# Altium PCB Rear Power Distribution.PcbDoc (part 3 of 3)
Units mm, origin at the board's own origin, x right, y up, seen from the top; angles counter-clockwise.
Board outline 153 x 100.2 mm, 4 copper layers (Component Side, Ground, Signal, Solder Side), stack 0.843 mm thick; 277 components, 195 nets, 965 pads, 810 vias.
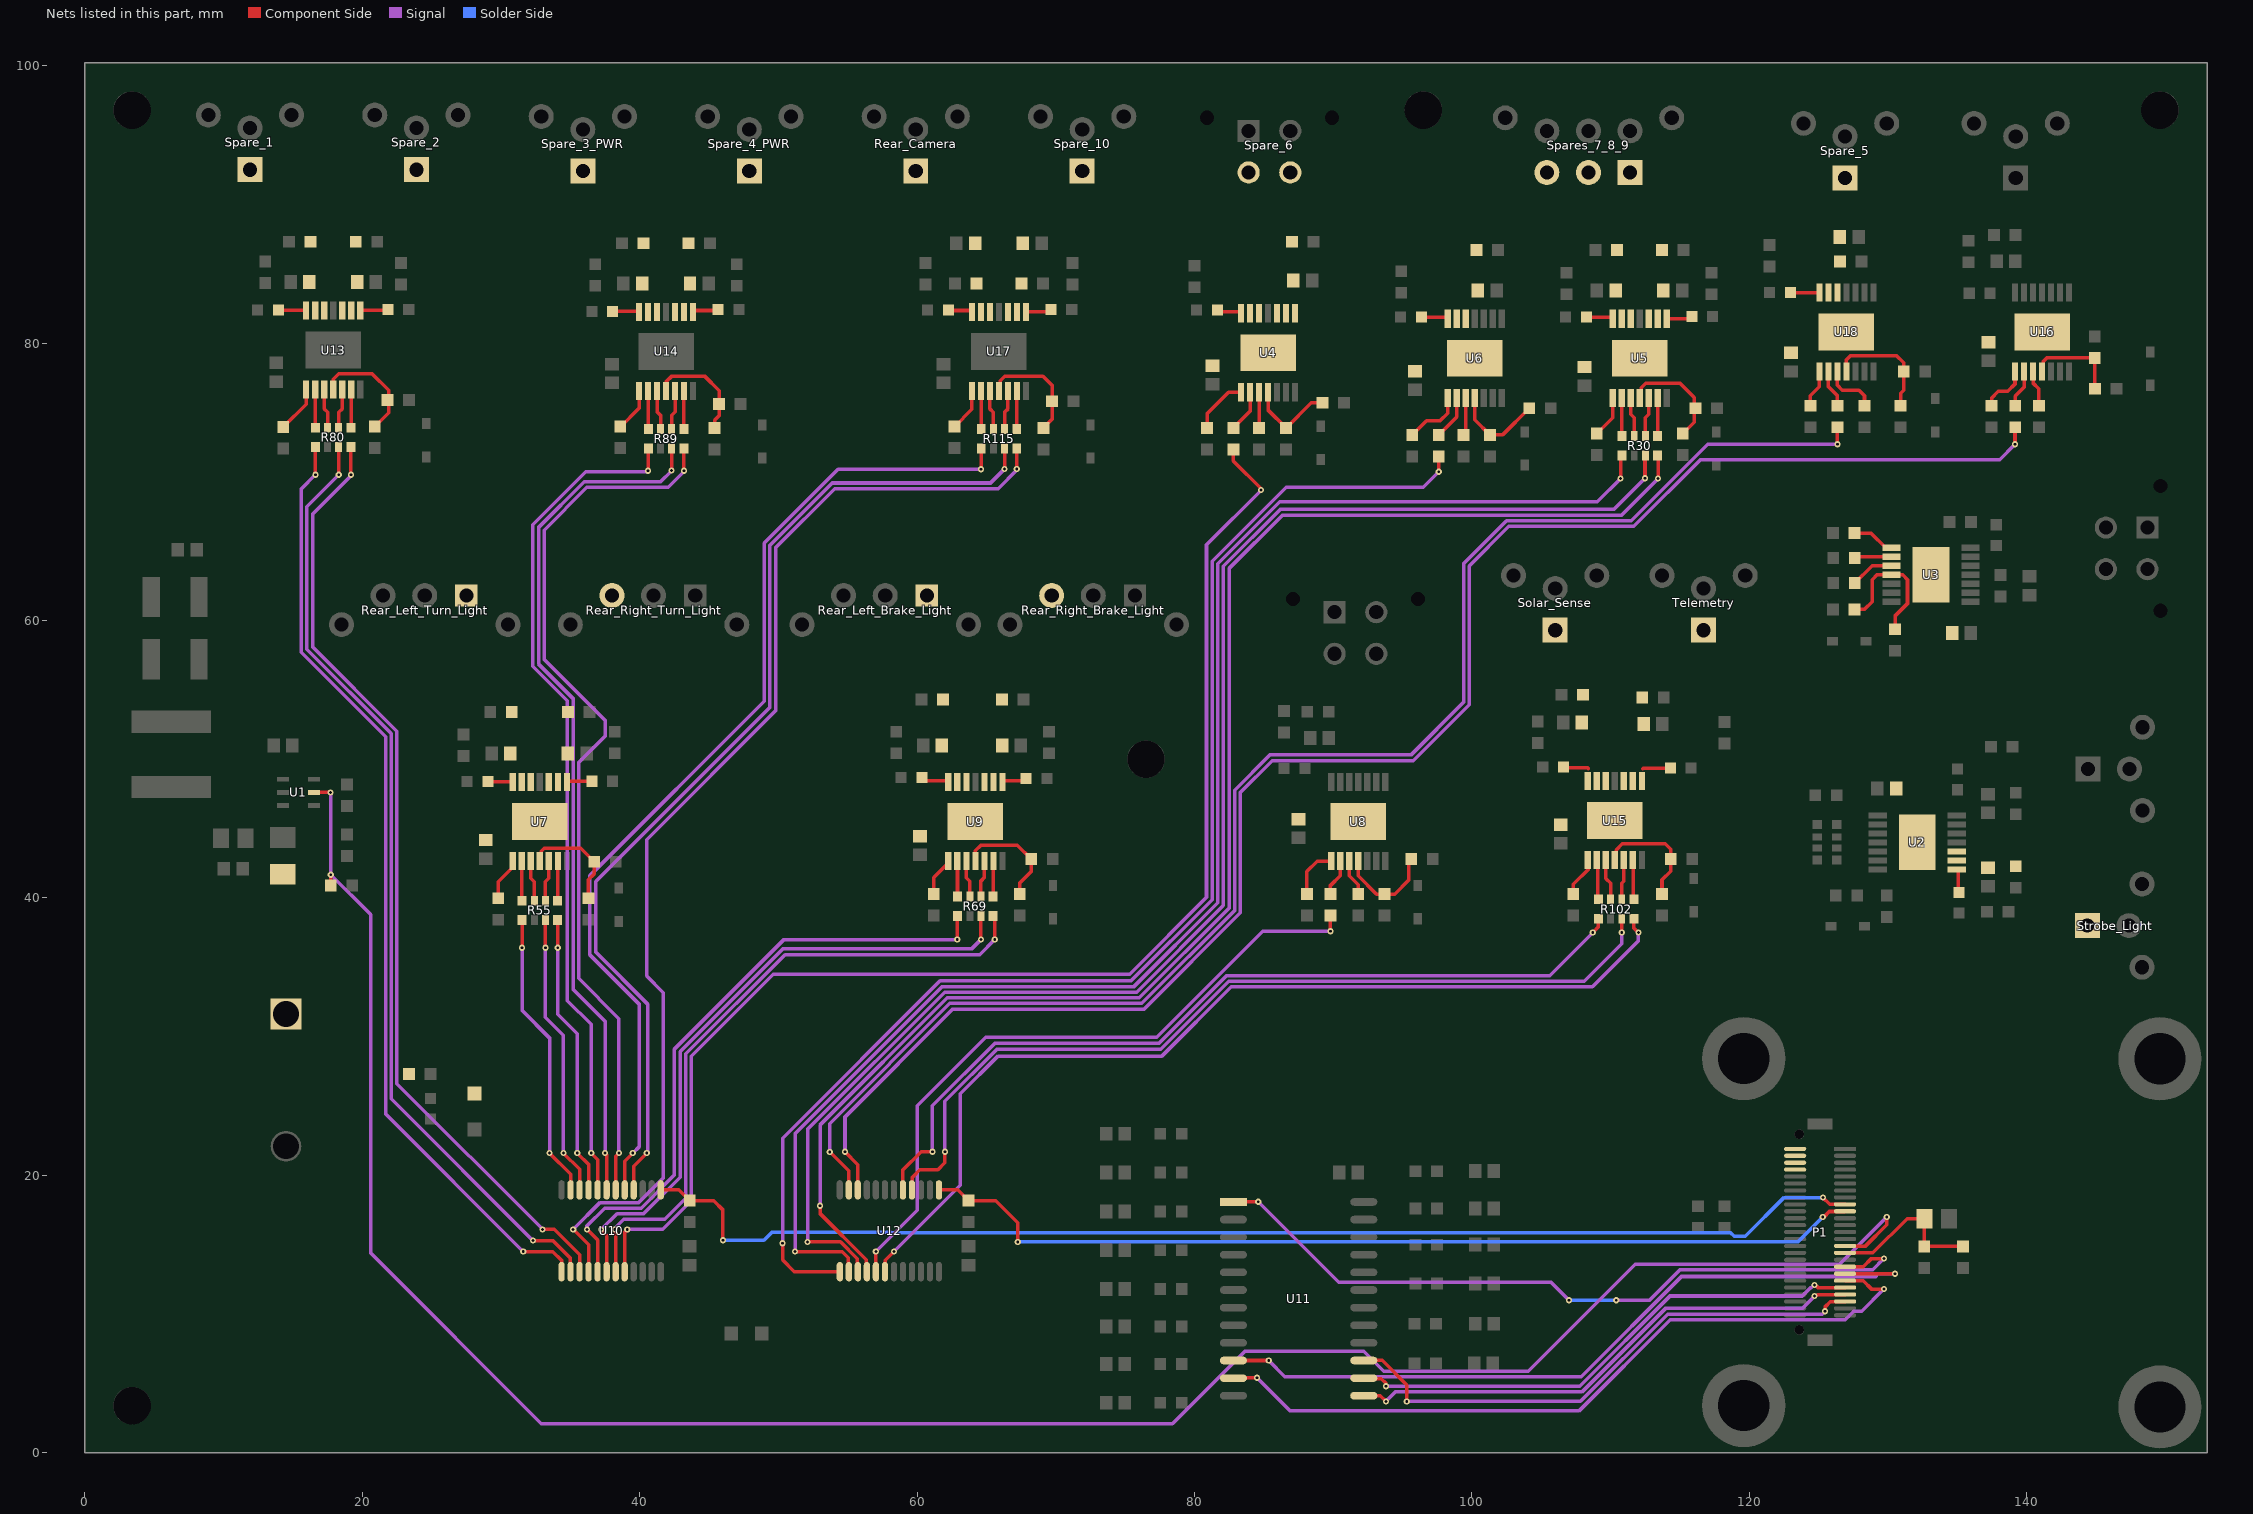
[diagram p5: the nets of this part, all layers, seen from the top]

## Via types
v1: diameter 0.45, hole 0.2, Component Side to Solder Side, tented both sides, 810 vias

## Nets (pads, with @x,y where several pads share a name; then routed paths per layer and width w, separated by ;. In a path a pad name is that pad's centre, name@x,y a point inside that pad or via, vN(x,y) a via of type N, cw(c..) or ccw(c..) an arc to the next point about the centre after c; other vN are vias at no path point) (continued)
NetR19_2: R19.2 U3.3 | length 3.2
  Component Side w0.254: R19.2@127.6,62.7 128.85,63.95 U3.3@130.25,63.95
NetR21_2: R21.2 U3.2 | length 2.7
  Component Side w0.254: R21.2@127.6,64.5 127.7,64.6 U3.2@130.25,64.6
NetR22_2: R22.2 R25.1 U3.4 | length 9.9
  Component Side w0.254: R22.2@127.575,60.8 128.3,60.8 128.85,61.35 128.85,62.95 129.2,63.3 U3.4@130.25,63.3 131.05,63.3 131.4,62.95 131.4,61.225 130.5,60.325 R25.1@130.5,59.375
NetR24_1: R24.1 U3.1 | length 3.1
  Component Side w0.254: R24.1@127.575,66.3 128.77,66.3 129.82,65.25 U3.1@130.25,65.25
NetR27_2: R27.2 U4.3 | length 2.6
  Component Side w0.254: R27.2@84.65,73.875 U4.3@84.65,76.45
NetR29_1: R29.1 U10.20 | length 95.7
  Component Side w0.254: U10.20@38.916,13.05 38.916,15.916 v1(39.1,16.1) ; v1@39.141,16.009 v1@39.141,16.103 ; R29.1@82.8,72.325 82.8,71.5 84.8,69.5 v1(84.8,69.4)
  Signal w0.254: v1(39.1,16.1) 41.65,16.1 43.724,18.174 43.724,28.587 49.637,34.5 75.326,34.5 80.862,40.036 80.862,65.462 v1(84.8,69.4)
NetR29_2: R29.2 U4.2 | length 3.1
  Component Side w0.254: R29.2@82.8,73.875 84,75.075 U4.2@84,76.45
NetR30_1: R30.1 U12.14 | length 108.6
  Component Side w0.254: v1(51.2,14.5) 54.598,14.5 55.037,14.06 55.037,13.088 U12.14@55.075,13.05 ; v1(110.705,70.23) 110.735,70.26 110.735,71.84 R30.1@110.795,71.9
  Signal w0.254: v1(51.2,14.5) 51.2,22.991 61.821,33.612 75.638,33.612 81.674,39.648 81.674,64.082 86.143,68.55 109.025,68.55 v1(110.705,70.23)
NetR30_3: R30.3 U12.15 | length 108.9
  Component Side w0.254: v1(52.1,15.2) 54.472,15.2 55.687,13.984 55.687,13.088 U12.15@55.725,13.05 ; v1(112.475,70.26) R30.3@112.475,71.9
  Signal w0.254: v1(52.1,15.2) 52.1,23.317 61.989,33.206 75.832,33.206 82.08,39.454 82.08,63.914 86.173,68.006 110.221,68.006 v1(112.475,70.26)
NetR30_4: R30.4 U12.16 | length 107.7
  Component Side w0.254: v1(53,17.8) 53,17.246 56.337,13.909 56.337,13.088 U12.16@56.375,13.05 ; R30.4@113.355,71.9 113.415,71.84 v1(113.415,70.23)
  Signal w0.254: v1(53,17.8) 53,23.623 62.177,32.8 76.026,32.8 82.486,39.26 82.486,63.745 86.341,67.6 110.785,67.6 v1(113.415,70.23)
NetR30_5: R30.5 U5.6 | length 2.8
  Component Side w0.254: R30.5@113.38,73.3 113.4,73.32 U5.6@113.4,76.05
NetR30_6: R30.6 U5.5 | length 2.9
  Component Side w0.254: R30.6@112.5,73.3 112.5,74.625 112.75,74.875 U5.5@112.75,76.05
NetR30_7: R30.7 U5.3 | length 2.9
  Component Side w0.254: U5.3@111.45,76.05 111.45,74.875 111.7,74.625 R30.7@111.7,73.3
NetR30_8: R30.8 U5.2 | length 2.8
  Component Side w0.254: U5.2@110.8,76.05 110.81,76.04 110.81,73.31 R30.8@110.82,73.3
NetR33_2: R33.2 R36.1 U4.4 | length 6.5
  Component Side w0.254: U4.4@85.3,76.45 85.3,75.175 R33.2@86.6,73.875 88.425,75.7 R36.1@89.225,75.7
NetR35_1: R35.1 U4.1 | length 4.1
  Component Side w0.254: R35.1@80.9,73.875 80.9,74.9 82.45,76.45 U4.1@83.35,76.45
NetR38_1: R38.1 U5.1 | length 3.1
  Component Side w0.254: R38.1@109,73.475 110.15,74.625 U5.1@110.15,76.05
NetR39_2: R39.2 R43.1 U5.4 | length 8.1
  Component Side w0.254: U5.4@112.1,76.05 112.198,76.148 112.198,76.773 112.525,77.1 115,77.1 116.025,76.075 116.025,75.3 116.025,74.3 R39.2@115.2,73.475
NetR44_2: R44.2 U6.3 | length 2.7
  Component Side w0.254: R44.2@99.4,73.375 99.55,73.525 U6.3@99.55,76.05
NetR46_1: R46.1 U12.13 | length 95.8
  Component Side w0.254: v1(50.3,15.1) 50.3,13.9 51.15,13.05 U12.13@54.425,13.05 ; v1(97.6,70.725) R46.1@97.6,71.825
  Signal w0.254: v1(50.3,15.1) 50.3,22.666 61.652,34.018 75.418,34.018 81.268,39.868 81.268,64.268 86.6,69.6 96.475,69.6 v1(97.6,70.725)
NetR46_2: R46.2 U6.2 | length 3.2
  Component Side w0.254: R46.2@97.6,73.375 98.9,74.675 U6.2@98.9,76.05
NetR48_2: R48.2 R51.1 U6.4 | length 6.8
  Component Side w0.254: U6.4@100.2,76.05 100.2,74.475 R48.2@101.3,73.375 102.2,73.375 R51.1@104.125,75.3
NetR50_1: R50.1 U6.1 | length 4.3
  Component Side w0.254: R50.1@95.7,73.375 96.725,74.4 97.7,74.4 98.25,74.95 U6.1@98.25,76.05
NetR54_2: R54.2 U8.3 | length 2.6
  Component Side w0.254: U8.3@91.15,42.65 91.15,41.598 91.8,40.947 R54.2@91.8,40.275
NetR55_1: R55.1 U10.11 | length 20.8
  Component Side w0.254: v1(31.52,36.4) R55.1@31.52,38.4 ; v1@33.5,21.597 35.015,20.082 U10.11@35.016,18.95
  Signal w0.254: v1@31.52,36.327 31.52,31.88 33.5,29.9 v1(33.5,21.6)
NetR55_3: R55.3 U10.10 | length 20.5
  Component Side w0.254: v1(33.2,36.4) R55.3@33.2,38.4 ; v1(34.5,21.6) 34.5,21.597 35.665,20.432 U10.10@35.665,18.953
  Signal w0.254: v1(33.2,36.4) 33.2,31.4 34.5,30.1 v1(34.5,21.6)
NetR55_4: R55.4 U10.9 | length 20.4
  Component Side w0.254: R55.4@34.08,38.4 34.085,38.395 v1@34.085,36.405 ; v1@35.5,21.597 36.316,20.782 U10.9@36.316,18.95
  Signal w0.254: v1(34.09,36.4) 34.09,31.61 35.5,30.2 v1(35.5,21.6)
NetR55_5: R55.5 U7.6 | length 2.9
  Component Side w0.254: R55.5@34.08,39.8 34.09,39.81 34.09,42.64 U7.6@34.1,42.65
NetR55_6: R55.6 U7.5 | length 3
  Component Side w0.254: R55.6@33.2,39.8 33.2,41.17 33.45,41.42 U7.5@33.45,42.65
NetR55_7: R55.7 U7.3 | length 3
  Component Side w0.254: U7.3@32.15,42.65 32.15,41.42 32.4,41.17 R55.7@32.4,39.8
NetR55_8: R55.8 U7.2 | length 2.9
  Component Side w0.254: U7.2@31.5,42.65 31.51,42.64 31.51,39.81 R55.8@31.52,39.8
NetR57_1: R57.1 U12.17 | length 49.3
  Component Side w0.254: U12.17@57.025,13.05 v1(57.025,14.5) ; v1(89.8,37.6) R57.1@89.8,38.725
  Signal w0.254: v1(57.025,14.5) 60,17.475 60,25.006 64.952,29.958 77.285,29.958 84.927,37.6 v1(89.8,37.6)
NetR57_2: R57.2 U8.2 | length 2.7
  Component Side w0.254: R57.2@89.8,40.275 89.8,40.898 90.5,41.598 U8.2@90.5,42.65
NetR58_2: R58.2 R63.1 U8.4 | length 7.3
  Component Side w0.254: U8.4@91.8,42.65 91.8,41.598 93.123,40.275 R58.2@93.7,40.275 94.436,40.275 95.429,41.268 95.429,42.604 R63.1@95.625,42.8
NetR60_1: R60.1 U8.1 | length 3.7
  Component Side w0.254: R60.1@88.1,40.275 88.1,41.9 88.85,42.65 U8.1@89.85,42.65
NetR62_1: R62.1 U7.1 | length 3.1
  Component Side w0.254: R62.1@29.8,39.975 29.8,41.17 30.85,42.22 U7.1@30.85,42.65
NetR64_2: R64.2 R66.1 U7.4 | length 7.9
  Component Side w0.254: U7.4@32.8,42.65 32.898,42.748 32.898,43.373 33.109,43.584 35.741,43.584 R66.1@36.725,42.6 36.725,41.725 36.3,41.3 R64.2@36.3,39.975
NetR69_1: R69.1 U10.17 | length 45.9
  Component Side w0.254: v1(36.2,16.1) 36.965,15.335 U10.17@36.965,13.05 ; v1(62.9,37) 62.9,38.68 R69.1@62.92,38.7
  Signal w0.254: v1(36.2,16.1) 36.2,16.359 37.474,17.634 40.109,17.634 42.506,20.031 42.506,29.106 50.4,37 v1(62.9,37)
NetR69_3: R69.3 U10.18 | length 46.4
  Component Side w0.254: v1@37.2,16.006 v1(37.2,16.1) 37.616,15.684 U10.18@37.616,13.05 ; v1(64.6,37) R69.3@64.6,38.7
  Signal w0.254: v1(37.2,16.1) 37.237,16.1 38.365,17.228 40.277,17.228 42.912,19.862 42.912,28.923 50.308,36.319 63.919,36.319 v1(64.6,37)
NetR69_4: R69.4 U10.19 | length 47
  Component Side w0.254: v1(38.2,16.1) 38.265,16.035 U10.19@38.265,13.05 ; R69.4@65.48,38.7 65.6,38.58 v1(65.6,37)
  Signal w0.254: v1(38.2,16.1) 38.2,16.163 38.859,16.822 41.798,16.822 43.318,18.342 43.318,28.755 50.476,35.913 64.513,35.913 v1(65.6,37)
NetR69_5: R69.5 U9.6 | length 2.9
  Component Side w0.254: R69.5@65.48,40.1 65.49,40.11 65.49,42.94 U9.6@65.5,42.95
NetR69_6: R69.6 U9.5 | length 3
  Component Side w0.254: R69.6@64.6,40.1 64.6,41.22 64.85,41.47 U9.5@64.85,42.95
NetR69_7: R69.7 U9.3 | length 3
  Component Side w0.254: U9.3@63.55,42.95 63.55,41.45 63.8,41.2 R69.7@63.8,40.1
NetR69_8: R69.8 U9.2 | length 2.9
  Component Side w0.254: U9.2@62.9,42.95 62.91,42.94 62.91,40.11 R69.8@62.92,40.1
NetR72_1: R72.1 U9.1 | length 3.1
  Component Side w0.254: R72.1@61.2,40.275 61.2,41.47 62.25,42.52 U9.1@62.25,42.95
NetR73_2: R73.2 R75.1 U9.4 | length 7.9
  Component Side w0.254: U9.4@64.2,42.95 64.2,43.4 64.6,43.8 67.225,43.8 R75.1@68.225,42.8 68.225,41.9 67.4,41.075 R73.2@67.4,40.275
NetR80_1: R80.1 U10.13 | length 68.9
  Component Side w0.254: v1(16.62,70.5) R80.1@16.62,72.5 ; v1(31.6,14.5) 33.743,14.5 34.365,13.878 U10.13@34.365,13.053
  Signal w0.254: v1(16.62,70.5) 15.6,69.48 15.6,57.7 21.682,51.618 21.682,24.418 v1(31.6,14.5)
NetR80_3: R80.3 U10.14 | length 69.1
  Component Side w0.254: v1(18.3,70.5) R80.3@18.3,72.5 ; v1(32.3,15.3) 33.741,15.3 34.978,14.063 34.978,13.09 U10.14@35.016,13.053
  Signal w0.254: v1(18.3,70.5) 16.006,68.206 16.006,57.931 22.088,51.849 22.088,25.512 v1(32.3,15.3)
NetR80_4: R80.4 U10.15 | length 69.1
  Component Side w0.254: v1(19.18,70.5) R80.4@19.18,72.5 ; v1@33,16.103 33.841,16.103 35.665,14.278 U10.15@35.665,13.053
  Signal w0.254: v1(19.18,70.5) 19.18,70.417 16.412,67.649 16.412,58.099 22.494,52.017 22.494,26.606 v1(33,16.1)
NetR80_5: R80.5 U13.6 | length 2.8
  Component Side w0.254: R80.5@19.18,73.9 19.19,73.91 19.19,76.69 U13.6@19.2,76.7
NetR80_6: R80.6 U13.5 | length 2.9
  Component Side w0.254: R80.6@18.3,73.9 18.3,75 18.55,75.25 U13.5@18.55,76.7
NetR80_7: R80.7 U13.3 | length 2.9
  Component Side w0.254: U13.3@17.25,76.7 17.25,75.25 17.5,75 R80.7@17.5,73.9
NetR80_8: R80.8 U13.2 | length 2.8
  Component Side w0.254: U13.2@16.6,76.7 16.61,76.69 16.61,73.91 R80.8@16.62,73.9
NetR84_1: R84.1 U13.1 | length 3.4
  Component Side w0.254: R84.1@14.3,73.95 15.95,75.6 U13.1@15.95,76.7
NetR85_2: R85.2 R88.1 U13.4 | length 8.4
  Component Side w0.254: U13.4@17.9,76.7 17.9,77.4 18.3,77.8 20.7,77.8 21.9,76.6 21.9,75.9 21.9,74.975 R85.2@20.9,73.975
NetR89_1: R89.1 U10.8 | length 61.3
  Component Side w0.254: v1@36.5,21.597 36.965,21.132 U10.8@36.965,18.95 ; v1@40.61,70.81 40.61,72.29 R89.1@40.62,72.3
  Signal w0.254: v1(36.5,21.6) 36.5,30.88 34.787,32.593 34.787,54.212 32.3,56.699 32.3,66.9 36.119,70.719 40.519,70.719 v1(40.6,70.8)
NetR89_3: R89.3 U10.7 | length 62.6
  Component Side w0.254: v1@37.5,21.597 37.612,21.485 37.612,18.953 U10.7@37.616,18.95 ; v1(42.3,70.81) R89.3@42.3,72.3
  Signal w0.254: v1(37.5,21.6) 37.5,31.11 35.194,33.416 35.194,54.38 32.706,56.867 32.706,66.706 36,70 41.5,70 v1@42.3,70.8
NetR89_4: R89.4 U10.6 | length 64.9
  Component Side w0.254: U10.6@38.265,18.95 38.265,21.363 v1@38.5,21.597 ; R89.4@43.18,72.3 43.19,72.29 43.19,70.81 v1(43.2,70.8)
  Signal w0.254: v1(38.5,21.6) 38.5,31.3 35.6,34.2 35.6,49.761 37.531,51.693 37.531,52.769 33.112,57.188 33.112,66.512 36.194,69.594 42.047,69.594 43.2,70.747 v1(43.2,70.8)
NetR89_5: R89.5 U14.6 | length 2.8
  Component Side w0.254: R89.5@43.18,73.7 43.19,73.71 43.19,76.44 U14.6@43.2,76.45
NetR89_6: R89.6 U14.5 | length 2.9
  Component Side w0.254: R89.6@42.3,73.7 42.3,74.8 42.55,75.05 U14.5@42.55,76.45
NetR89_7: R89.7 U14.3 | length 2.9
  Component Side w0.254: U14.3@41.25,76.45 41.25,75.05 41.5,74.8 R89.7@41.5,73.7
NetR89_8: R89.8 U14.2 | length 2.8
  Component Side w0.254: U14.2@40.6,76.45 40.61,76.44 40.61,73.71 R89.8@40.62,73.7
NetR93_1: R93.1 U14.1 | length 3
  Component Side w0.254: R93.1@38.6,73.975 38.625,73.975 39.95,75.3 U14.1@39.95,76.45
NetR94_2: R94.2 R97.1 U14.4 | length 8
  Component Side w0.254: U14.4@41.9,76.45 U14.4@41.9,76.55 41.9,77.2 42.325,77.625 44.675,77.625 45.725,76.575 45.725,75.8 45.725,74.775 45.4,74.45 R94.2@45.4,73.875
NetR100_2: R100.2 U16.3 | length 2.6
  Component Side w0.254: U16.3@140.45,77.95 140.45,77.121 140.871,76.7 R100.2@140.871,75.475
NetR102_1: R102.1 U12.5 | length 61.4
  Component Side w0.254: U12.5@58.975,18.95 58.975,20.387 60.288,21.7 v1(61.1,21.7) ; v1(108.7,37.5) 109.101,37.901 109.101,38.481 R102.1@109.12,38.5
  Signal w0.254: v1(61.1,21.7) 61.1,25.017 65.589,29.506 77.408,29.506 82.302,34.4 105.6,34.4 v1(108.7,37.5)
NetR102_3: R102.3 U12.4 | length 63.4
  Component Side w0.254: U12.4@59.625,18.95 59.663,18.988 59.663,19.864 60.199,20.4 61.5,20.4 61.994,20.894 v1@61.994,21.7 ; v1(110.8,37.5) R102.3@110.8,38.5
  Signal w0.254: v1@61.994,21.7 61.994,25.336 65.758,29.1 77.576,29.1 82.47,33.994 108.094,33.994 110.8,36.7 v1(110.8,37.5)
  other v1: 62,21.7
NetR102_4: R102.4 U12.18 | length 70.3
  Component Side w0.254: U12.18@57.675,13.05 57.713,13.088 57.713,13.888 v1(58.325,14.5) ; R102.4@111.68,38.5 111.68,37.82 v1(112,37.5)
  Signal w0.254: v1(58.325,14.5) 63.1,19.275 63.1,25.868 65.832,28.6 77.65,28.6 82.638,33.588 108.688,33.588 111.993,36.893 111.993,37.493 v1(112,37.5)
NetR102_5: R102.5 U15.6 | length 2.9
  Component Side w0.254: U15.6@111.6,42.729 111.64,42.689 111.64,39.94 R102.5@111.68,39.9
NetR102_6: R102.6 U15.5 | length 2.9
  Component Side w0.254: R102.6@110.8,39.9 110.8,41.05 110.95,41.2 U15.5@110.95,42.729
NetR102_7: R102.7 U15.3 | length 3
  Component Side w0.254: U15.3@109.65,42.729 109.65,41.4 110,41.05 R102.7@110,39.9
NetR102_8: R102.8 U15.2 | length 2.9
  Component Side w0.254: U15.2@109,42.729 109.06,42.669 109.06,39.96 R102.8@109.12,39.9
NetR103_1: R103.1 U12.10 | length 122.3
  Component Side w0.254: v1(54.8,21.7) 55.725,20.775 U12.10@55.725,18.95 ; v1(139.15,72.7) 139.15,73.909 R103.1@139.167,73.925
  Signal w0.254: v1(54.8,21.7) 54.8,24.209 62.579,31.988 76.362,31.988 83.298,38.924 83.298,47.602 85.597,49.9 95.774,49.9 99.8,53.926 99.8,63.926 102.662,66.788 111.662,66.788 116.474,71.6 138.05,71.6 v1(139.15,72.7)
NetR103_2: R103.2 U16.2 | length 2.7
  Component Side w0.254: R103.2@139.167,75.475 139.167,76.181 139.8,76.814 U16.2@139.8,77.95
NetR104_2: R104.2 R108.1 U16.4 | length 6.8
  Component Side w0.254: U16.4@141.1,77.95 141.198,78.048 141.198,78.673 141.45,78.925 R108.1@144.9,78.925 144.9,76.725 R104.2@144.925,76.7
NetR106_1: R106.1 U16.1 | length 3.6
  Component Side w0.254: R106.1@137.462,75.475 137.462,76.041 137.948,76.526 138.626,76.526 139.15,77.05 U16.1@139.15,77.95
NetR109_1: R109.1 U15.1 | length 2.3
  Component Side w0.254: R109.1@107.3,40.275 107.3,40.975 U15.1@108.4,42.075
NetR110_2: R110.2 R112.1 U15.4 | length 8.5
  Component Side w0.254: U15.4@110.3,42.729 110.398,42.827 110.398,43.452 110.846,43.9 113.925,43.9 114.325,43.5 R112.1@114.325,42.8 114.325,41.925 113.7,41.3 R110.2@113.7,40.275
NetR115_1: R115.1 U10.5 | length 73.1
  Component Side w0.254: U10.5@38.916,18.95 38.916,21.016 v1(39.5,21.6) ; v1(64.6,70.9) 64.62,70.92 R115.1@64.62,72.4
  Signal w0.254: v1(39.5,21.6) 39.981,22.081 39.981,32.319 36.412,35.888 36.412,41.612 48.982,54.182 48.982,65.582 54.3,70.9 v1(64.6,70.9)
NetR115_3: R115.3 U10.4 | length 74.3
  Component Side w0.254: U10.4@39.565,18.95 39.565,20.665 v1(40.5,21.6) ; v1(66.3,70.92) R115.3@66.3,72.4
  Signal w0.254: v1(40.5,21.6) 40.566,21.666 40.566,32.35 36.818,36.099 36.818,41.181 49.388,53.751 49.388,65.414 53.886,69.912 65.292,69.912 v1(66.3,70.92)
NetR115_4: R115.4 U10.16 | length 82.6
  Component Side w0.254: v1(35.2,16.1) 36.316,14.985 U10.16@36.316,13.05 ; R115.4@67.18,72.4 67.185,72.395 67.185,70.925 v1(67.19,70.92)
  Signal w0.254: v1(35.2,16.1) 37.14,18.04 39.941,18.04 41.706,19.805 41.706,33.168 40.5,34.374 40.5,44.2 49.794,53.494 49.794,65.246 54.054,69.506 65.849,69.506 67.19,70.847 v1(67.19,70.92)
NetR115_5: R115.5 U17.6 | length 2.8
  Component Side w0.254: R115.5@67.18,73.8 67.19,73.81 67.19,76.54 U17.6@67.2,76.55
NetR115_6: R115.6 U17.5 | length 2.9
  Component Side w0.254: R115.6@66.3,73.8 66.3,75 66.55,75.25 U17.5@66.55,76.55
NetR115_7: R115.7 U17.3 | length 2.9
  Component Side w0.254: U17.3@65.25,76.55 65.25,75.25 65.5,75 R115.7@65.5,73.8
NetR115_8: R115.8 U17.2 | length 2.8
  Component Side w0.254: U17.2@64.6,76.55 64.61,76.54 64.61,73.81 R115.8@64.62,73.8
NetR118_1: R118.1 U17.1 | length 3.1
  Component Side w0.254: R118.1@62.7,73.975 63.95,75.225 U17.1@63.95,76.55
NetR119_2: R119.2 R121.1 U17.4 | length 8.2
  Component Side w0.254: U17.4@65.9,76.55 65.998,76.648 65.998,77.273 66.325,77.6 69.073,77.6 69.725,76.948 R121.1@69.725,75.8 69.725,74.5 R119.2@69.1,73.875
NetR125_2: R125.2 U18.3 | length 4
  Component Side w0.254: U18.3@126.35,77.95 126.35,76.948 126.698,76.6 127.9,76.6 128.3,76.2 R125.2@128.3,75.475
NetR127_1: R127.1 U12.11 | length 110.4
  Component Side w0.254: v1(53.7,21.687) 55.062,20.325 55.075,20.325 U12.11@55.075,18.95 ; v1(126.35,72.7) R127.1@126.35,73.925
  Signal w0.254: v1@53.7,21.7 53.7,23.729 62.365,32.394 76.194,32.394 82.892,39.092 82.892,47.77 85.429,50.306 95.606,50.306 99.394,54.094 99.394,64.094 102.494,67.194 111.494,67.194 117,72.7 v1(126.35,72.7)
NetR127_2: R127.2 U18.2 | length 2.7
  Component Side w0.254: U18.2@125.7,77.95 125.7,76.85 126.35,76.2 R127.2@126.35,75.475
NetR128_2: R128.2 R131.1 U18.4 | length 8.5
  Component Side w0.254: U18.4@127,77.95 127,78.8 127.3,79.1 130.6,79.1 131.125,78.575 R131.1@131.125,77.95 131.125,76.6 130.9,76.375 R128.2@130.9,75.475
NetR130_1: R130.1 U18.1 | length 2.7
  Component Side w0.254: R130.1@124.4,75.475 124.4,76.2 125.05,76.85 U18.1@125.05,77.95
PA2_MUX_EN: P1.23 U11.15 | length 39.8
  Component Side w0.254: U11.15@92.2,6.655 93.526,6.655 95.3,4.881 v1(95.3,3.7) ; v1(125.456,10.2) 125.456,10.506 125.841,10.891 126.891,10.891 P1.23@126.9,10.9
  Signal w0.254: v1(95.3,3.7) 107.823,3.7 114.118,9.995 125.252,9.995 v1(125.456,10.2)
PA3_MUX_SEL4: P1.22 U11.13 | length 38.1
  Component Side w0.254: U11.13@92.2,4.115 92.208,4.108 93.393,4.108 v1(93.8,3.7) ; v1(124.7,11.3) 124.794,11.3 124.894,11.4 P1.22@126.9,11.4
  Signal w0.254: v1(93.8,3.7) 94.481,4.381 107.929,4.381 113.95,10.401 123.801,10.401 v1(124.7,11.3)
PA4_MUX_SEL3: P1.21 U11.14 | length 38.2
  Component Side w0.254: U11.14@92.2,5.385 92.243,5.343 93.457,5.343 93.8,5 v1(93.8,4.8) ; v1(124.7,12.1) 124.753,12.1 124.945,11.908 126.892,11.908 P1.21@126.9,11.9
  Signal w0.254: v1(93.8,4.8) 107.774,4.8 114.274,11.3 123.8,11.3 124.406,11.906 124.453,11.906 124.647,12.1 v1(124.7,12.1)
PA5_MUX_SEL2: P1.20 U11.11 | length 54.6
  Component Side w0.254: U11.11@82.8,5.385 82.808,5.393 84.493,5.393 v1(84.5,5.4) ; P1.20@126.9,12.4 128.2,12.4 128.8,11.8 v1(129.7,11.8)
  Signal w0.254: v1(84.5,5.4) 86.887,3.013 107.713,3.013 114.289,9.589 126.911,9.589 127.521,10.2 128.1,10.2 v1(129.7,11.8)
PA6_MUX_SEL1: P1.19 U11.10 | length 54.9
  Component Side w0.254: U11.10@82.8,6.655 82.805,6.65 85.305,6.65 85.328,6.628 v1(85.346,6.646) ; P1.19@126.9,12.9 v1(130.5,12.9)
  Signal w0.254: v1(85.346,6.646) 86.51,5.481 107.881,5.481 115.106,12.706 129.106,12.706 129.3,12.9 v1(130.5,12.9)
PA7_MUX_OUTPUT: P1.18 U11.1 | length 54.1
  Component Side w0.254: U11.1@82.8,18.085 82.808,18.093 84.593,18.093 v1(84.6,18.1) ; P1.18@126.9,13.4 128.2,13.4 128.8,14 v1(129.7,14)
  Signal w0.254: v1(84.6,18.1) 90.4,12.3 105.7,12.3 v1(107,11) ; v1(110.4,11) 112.8,11 114.994,13.194 128.894,13.194 v1(129.7,14)
  Solder Side w0.254: v1(107,11) v1(110.4,11)
PB1/5V_MONITOR: C7.1 P1.16 R3.2 R5.1 | length 11.5
  Component Side w0.254: P1.16@126.9,14.4 126.906,14.406 128.906,14.406 131.371,16.871 C7.1@132.625,16.871 ; C7.1@132.6,16.846 R3.2@132.6,14.875 R5.1@135.4,14.875
PB2_5V_EN: P1.15 R6.1 U1.5 | length 162.4
  Component Side w0.254: U1.5@16.525,47.6 v1(17.701,47.6) ; R6.1@17.725,40.9 17.726,40.901 v1(17.726,41.675) ; P1.15@126.9,14.9 128.374,14.9 129.9,16.426 v1(129.9,17)
  Signal w0.254: v1@17.726,41.574 v1@17.726,47.6 ; v1(17.726,41.675) 20.6,38.801 20.6,14.4 32.9,2.1 78.406,2.1 83.633,7.327 92.191,7.327 93.631,5.887 104.05,5.887 111.763,13.6 126.5,13.6 v1(129.9,17)
PB13_IO_2_INT: P1.10 R79.2 U12.1 | length 68.6
  Component Side w0.254: U12.1@61.575,18.95 62.925,18.95 R79.2@63.7,18.175 65.664,18.175 67.255,16.584 v1(67.255,15.196) ; v1(125.284,17) 125.377,17 125.769,17.391 126.891,17.391 P1.10@126.9,17.4
  Solder Side w0.254: v1(67.255,15.196) 67.265,15.206 99.859,15.206 99.869,15.196 123.479,15.196 v1(125.284,17)
PB14_IO_1_INT: P1.9 R78.2 U10.1 | length 89.9
  Component Side w0.254: U10.1@41.515,18.95 42.825,18.95 R78.2@43.6,18.175 45.328,18.175 46,17.503 v1(46,15.316) ; v1(125.3,18.4) 125.791,17.909 126.891,17.909 P1.9@126.9,17.9
  Solder Side w0.254: v1(46,15.316) 48.955,15.316 49.52,15.881 58.082,15.881 58.119,15.844 118.656,15.844 118.898,15.602 119.702,15.602 122.5,18.4 v1(125.3,18.4)
Rear_Camera_PWR: C55.1 LED21.1 R116.1 Rear_Camera.1 U17.12 U17.13 U17.14 | length 1.8
  Component Side w0.254: LED21.1@62.25,82.39 62.292,82.348 63.852,82.348 U17.14@63.95,82.25
Rear_Left_Brake_Light_PWR: C33.1 LED12.1 R70.1 Rear_Left_Brake_Light.1 U9.12 U9.13 U9.14 | length 2
  Component Side w0.254: LED12.1@60.35,48.69 60.592,48.448 62.152,48.448 U9.14@62.25,48.35
Rear_Left_Turn_Light_PWR: C27.1 LED10.1 R52.1 Rear_Left_Turn_Light.1 U7.12 U7.13 U7.14 | length 1.8
  Component Side w0.254: LED10.1@29.05,48.39 30.81,48.39 U7.14@30.85,48.35
Rear_Right_Brake_Light_PWR: C34.1 LED13.1 R71.1 Rear_Right_Brake_Light.3 U9.8 U9.9 U9.10 | length 1.8
  Component Side w0.254: U9.8@66.15,48.35 66.248,48.448 67.688,48.448 LED13.1@67.85,48.61
Rear_Right_Turn_Light_PWR: C29.1 LED11.1 R61.1 Rear_Right_Turn_Light.3 U7.8 U7.9 U7.10 | length 1.8
  Component Side w0.254: U7.8@34.75,48.35 34.81,48.41 LED11.1@36.55,48.41
Solar_Sense_PWR: C49.1 LED19.1 R99.1 Solar_Sense.1 U15.12 U15.13 U15.14 | length 1.9
  Component Side w0.254: LED19.1@106.6,49.44 106.642,49.398 108.302,49.398 108.4,49.3
Spare_1_PWR: C40.1 LED14.1 R81.1 Spare_1.1 U13.12 U13.13 U13.14 | length 2
  Component Side w0.254: LED14.1@13.95,82.39 13.99,82.35 U13.14@15.95,82.35
Spare_2_PWR: C41.1 LED15.1 R83.1 Spare_2.1 U13.8 U13.9 U13.10 | length 2
  Component Side w0.254: U13.8@19.85,82.35 21.79,82.35 LED15.1@21.85,82.41
Spare_3_PWR: C44.1 LED16.1 R90.1 Spare_3_PWR.1 U14.12 U14.13 U14.14 | length 1.9
  Component Side w0.254: LED16.1@38.05,82.29 39.91,82.29 U14.14@39.95,82.25
Spare_4_PWR: C45.1 LED17.1 R92.1 Spare_4_PWR.1 U14.8 U14.9 U14.10 | length 1.9
  Component Side w0.254: U14.8@43.85,82.25 43.948,82.348 45.588,82.348 LED17.1@45.65,82.41
Spare_5_PWR: C59.1 LED23.1 R126.1 Spare_5.1 U18.12 U18.13 U18.14 | length 2.1
  Component Side w0.254: LED23.1@122.95,83.64 125.04,83.64 U18.14@125.05,83.65
Spare_6_PWR: C17.1 LED5.1 R28.1 Spare_6.1 Spare_6.2 U4.8 U4.9 U4.10 U4.12 U4.13 U4.14 | length 1.8
  Component Side w0.254: LED5.1@81.65,82.39 81.792,82.248 83.252,82.248 U4.14@83.35,82.15
Spare_7_PWR: C23.1 LED8.1 R45.1 Spares_7_8_9.3 U6.12 U6.13 U6.14 | length 2
  Component Side w0.254: LED8.1@96.35,81.89 96.392,81.848 98.152,81.848 U6.14@98.25,81.75
Spare_8_PWR: C18.1 LED7.1 R31.1 Spares_7_8_9.2 U5.12 U5.13 U5.14 | length 2
  Component Side w0.254: LED7.1@108.25,81.89 108.292,81.848 110.052,81.848 U5.14@110.15,81.75
Spare_9_PWR: C20.1 LED6.1 R37.1 Spares_7_8_9.1 U5.8 U5.9 U5.10 | length 1.9
  Component Side w0.254: U5.8@114.05,81.75 115.69,81.75 LED6.1@115.85,81.91
Spare_10_PWR: C56.1 LED22.1 R117.1 Spare_10.1 U17.8 U17.9 U17.10 | length 1.9
  Component Side w0.254: U17.8@67.85,82.25 69.49,82.25 LED22.1@69.65,82.41
Strobe_Light_PWR: C11.1 LED3.1 R12.1 Strobe_Light.1 U2.8 U2.9 U2.10 | length 1.7
  Component Side w0.254: U2.8@134.95,42.05 135.048,41.952 135.048,40.452 LED3.1@135.1,40.4
Telemetry_PWR: C52.1 LED20.1 R107.1 Telemetry.1 U15.8 U15.9 U15.10 | length 2
  Component Side w0.254: 112.3,49.3 112.36,49.36 LED20.1@114.3,49.36
VBAT: C8.1 C12.1 C15.1 C16.1 C21.1 C25.1 C26.1 C32.1 C47.1 C48.1 C58.1 P1.47 P1.48 P1.49 P1.50 Power.1 R1.1 R7.1 U2.15 U3.15 U4.15 U5.15 U6.15 U7.15 U8.15 U9.15 U15.15 U16.15 U18.15 VBAT.TP
pads on no net: BMS. Center_Brake_Light.0 Charger.0 M1. M2. M3. M4. Motor_Interface. P1. P1.5 P1.6 P1.7 P1.8 P1.11 P1.12 P1.17 P1.24 P1.25 P1.30 P1.31 P1.32 P1.33 P1.34 P1.35 P1.36 P1.37 P1.38 P1.39 P1.46 Rear_Camera.0 Rear_Left_Brake_Light. Rear_Left_Brake_Light.2 Rear_Left_Turn_Light. Rear_Left_Turn_Light.2 Rear_Right_Brake_Light. Rear_Right_Brake_Light.2 Rear_Right_Turn_Light. Rear_Right_Turn_Light.2 Solar_Sense.0 Spare_1.0 Spare_2.0 Spare_3_PWR.0 Spare_4_PWR.0 Spare_5.0 Spare_6. Spare_10.0 Spares_7_8_9.0 Strobe_Light.0 Telemetry.0 U2.7 U2.11 U3.5 U3.6 U3.7 U3.8 U3.9 U3.10 U3.11 U4.5 U4.6 U4.7 U4.11 U5.7 U5.11 U6.5 U6.6 U6.7 U6.8 U6.9 U6.10 U6.11 U7.7 U7.11 U8.5 U8.6 U8.7 U8.8 U8.9 U8.10 U8.11 U9.7 U9.11 U11.16 U11.17 U12.19 U12.20 U13.7 U13.11 U14.7 U14.11 U15.7 U15.11 U16.5 U16.6 U16.7 U16.8 U16.9 U16.10 U16.11 U17.7 U17.11 U18.5 U18.6 U18.7 U18.8 U18.9 U18.10 U18.11

## Polygon pours and split planes (outlines as drawn)
GND on Component Side "Component Side-GND 1" (solid, pour order 79): 0,100.2 0,0 153,0 153,100.2
VBAT on Component Side "Component Side-VBAT 2" (solid, pour order 75): 124.2,22 124.2,20.158 114.6,20.158 114.6,25.2 118.2,25.2 118.2,22
GND on Component Side "Component Side-GND" (solid, pour order 74): 7.6,45.258 10.3,45.258 10.3,41 7.6,41
VBAT on Component Side "Component Side-VBAT" (solid, pour order 78): 8.4,24.7 8.4,81.2 119.5,81.2 119.5,82.8 143.5,82.8 143.5,79.5 143.5,24.7
+5V on Component Side "Component Side-+5V" (solid, pour order 77): 2.5,50.7 11.1,50.7 11.1,68.6 68.8,68.6 68.8,81.2 2.4,81.2
GND on Solder Side "Solder Side-GND" (solid, pour order 81): 0,100.2 153,100.2 153,0 102.7,0 0,0
GND on Signal "Signal-GND" (solid, pour order 80): 0,100.2 153,100.2 153,0 0,0
no net on Ground (split plane): 152.49,0.51 0.51,0.51 0.51,99.69 152.49,99.69

## Keep-outs
Keep-Out Layer:
  the board outline again, w0.254

## Other copper
Component Side:
  region net Motor_Interface_PWR: 88.8,58.8 94.3,58.8 94.3,55.6 91.15,55.6 91.15,47.801 89.4,47.801 89.4,55.7 88.808,55.7
  region net Spare_5_PWR: 126.5,83 124.8,83 124.8,89.3 123.8,89.3 123.8,93.2 129.4,93.2 129.4,89.3 127.1,89.3 127.1,84.559 126.5,84.559
  region net Strobe_Light_PWR: 143,36.8 143,40.8 142,41.8 134.3,41.8 134.3,43.35 144.35,43.35 145.5,42.2 145.5,36.8
  region net Center_Brake_Light_PWR: 134.3,46.6 141.977,46.6 143,47.623 143,50.5 145.5,50.5 145.5,45.8 144.35,44.65 134.3,44.65
  region net BMS_PWR: 135.3,63.8 137.196,63.8 136.899,63.2 137.196,62.6 146.2,62.6 146.8,63.2 146.8,70.4 146.1,71.1 142.2,71.1 140.6,69.5 140.6,67.1 139.7,66.2 135.3,66.2
  region net Telemetry_PWR: 118,60.4 111.7,60.4 110.9,59.6 110.9,47.8 112.8,47.8 112.8,58.3 118,58.3
  region: 110.9,50
  region net Solar_Sense_PWR: 104.9,60.4 104.9,58.3 107.4,58.3 107.4,47.8 109.7,47.8 109.7,59.601 108.901,60.4
  region net Rear_Right_Brake_Light_PWR: 68.5,62.9 70.8,62.9 70.8,56.1 70,55.3 67.224,55.331 66.7,54.807 66.7,47.7 64.85,47.7 64.8,47.75 64.8,57.2 65.7,58.1 67.637,58.1 68.5,58.963
  region net Rear_Left_Brake_Light_PWR: 59.7,62.8 61.7,62.8 61.7,58.1 63.7,56.1 63.7,47.7 61.4,47.7 61.4,55.2 59.7,56.9
  region net Rear_Right_Turn_Light_PWR: 33.3,47.7 35.3,47.7 35.3,54.7 38.1,54.7 39.1,55.7 39.1,62.9 36.8,62.9 36.8,58.5 36.1,57.8 34.2,57.8 33.3,56.9
  region net Rear_Left_Turn_Light_PWR: 26.6,62.9 26.6,55.8 27.7,54.7 30.2,54.7 30.2,47.7 32.3,47.7 32.3,56.9 31.4,57.8 29.1,57.8 28.6,58.3 28.6,62.9
  region net Charger_PWR: 138.6,90.5 138.3,90.5 138.1,90.7 138.1,92.8 138.492,93.192 140.1,93.192 140.492,92.8 140.6,83 138.6,83
  region: 89.7,50.027
  region net Spare_9_PWR: 112.6,81.1 114.2,81.1 114.2,92.683 113.283,93.6 110.3,93.6 110.3,91 112.175,91 112.6,90.575
  region net Spare_8_PWR: 110,81.1 111.6,81.1 111.6,88.975 111.141,89.434 110,90.575 110,93.2 109.6,93.6 107.6,93.6 107.2,93.2 107.2,91.2 107.2,88.5 108.2,87.5 109.741,87.5 110,87.241
  region net Spare_7_PWR: 99.7,81.3 98.1,81.3 98.1,92.6 99.1,93.6 106.1,93.6 106.5,93.2 106.5,91.6 106.1,91.2 101.875,91.2 100.85,90.175 100.85,83 99.7,83
  region net Spare_6_PWR: 83.2,81.6 84.8,81.6 84.8,83.1 85.8,83.1 85.8,81.6 87.7,81.6 87.7,89.7 88.2,90.2 88.2,92.9 87.4,93.7 83.5,93.7 82.7,92.9 82.7,90.2 83.2,89.7
  region net Spare_10_PWR: 66.4,81.7 68,81.7 68,90.3 69,91.3 72.9,91.3 72.9,93.5 67.6,93.5 66.4,92.3
  region net Rear_Camera_PWR: 65.4,81.7 63.8,81.7 63.8,90.3 62.8,91.3 58.9,91.3 58.9,93.5 64.2,93.5 65.4,92.3
  region: 63.8,81.7
  region net Spare_4_PWR: 42.4,81.636 44,81.636 44,89.9 45.3,91.2 48.9,91.2 48.9,93.4 43.2,93.4 42.4,92.6
  region net Spare_3_PWR: 41.4,81.7 39.8,81.7 39.8,90.6 39.2,91.2 34.9,91.2 34.9,93.4 40.6,93.4 41.4,92.6
  region net Spare_2_PWR: 18.4,81.8 20,81.8 20,90.5 20.8,91.3 24.9,91.3 24.9,93.599 19.2,93.599 18.4,92.799
  region net Spare_1_PWR: 17.4,81.8 15.8,81.8 15.8,90.5 15,91.3 10.9,91.3 10.9,93.599 16.6,93.599 17.4,92.799
  region net NetC1_2: 13.5,49.05 13.5,51.8 11.9,51.8 11.9,49.05
  region: 14.1,52.2
  region net NetC1_2: 14.7,48.1 14.7,47.1 13.5,47.1 13.5,45.8 1.7,45.8 1.7,50 13.5,50 13.5,48.1
Signal:
  region: 15.6,81.9

## Silkscreen, mask and mechanical layers (free items; w line width, h text height)
Top Overlay:
  lines w0.254: 117.1,0.9 152.1,0.9 152.1,30.9 117.1,30.9 117.1,0.9
  text "4" at 83.8,97.9 h0.8
  text "1" at 144.2,89.4 h0.8
  text "1" at 11.8,88.7 h0.8
  text "1" at 23.8,88.6 h0.8
  text "1" at 35.8,88.6 h0.8
  text "1" at 47.8,88.6 h0.8
  text "1" at 59.9,88.6 h0.8
  text "1" at 71.9,88.6 h0.8
  text "1" at 86.8,88.3 h0.8
  text "1" at 141.6,63.8 h0.8 r270
  text "4" at 85.3,60.3 h0.8
  text "1" at 60.6,57.3 h0.8
  text "1" at 75.6,57.3 h0.8
  text "1" at 43.9,57.1 h0.8
  text "1" at 27.4,57 h0.8
  text "1" at 103.2,55.3 h0.8
  text "1" at 119.5,55.2 h0.8
  text "1" at 95.7,53.6 h0.8
  text "1" at 140.5,49.3 h0.8 r270
  text "1" at 140.1,38 h0.8 r270
  text "1" at 20.4,31.5 h0.8 r90
  text "MSXIV REAR POWER DISTRIBUTION" at 6.7,6.078 h1.52
  text "REV 2.0" at 6.7,4.3 h1.52
Bottom Overlay:
  text "GND" at 12.9,98.3 h0.8
  text "GND" at 24.9,98.1 h0.8
  text "GND" at 36.7,98.1 h0.8
  text "GND" at 48.8,98.1 h0.8
  text "GND" at 72.8,98.1 h0.8
  text "GND" at 109.401,98.1 h0.8
  text "GND" at 60.8,97.9 h0.8
  text "GND" at 86.4,97.8 h0.8
  text "GND" at 127.8,97.5 h0.8
  text "GND" at 140.201,97.5 h0.8
  text "+5V" at 48.8,88.5 h0.8
  text "+5V" at 37,88.4 h0.8
  text "+5V" at 61.2,88.4 h0.8
  text "+12V" at 109.8,88.1 h0.8
  text "+12V" at 140.5,88.1 h0.8
  text "+12V" at 128.5,88 h0.8
  text "+5V" at 73.3,87.9 h0.8
  text "+12V" at 87,87.8 h0.8
  text "GND" at 107.2,64.8 h0.8
  text "GND" at 117.8,64.8 h0.8
  text "GND" at 151.2,64.3 h0.8 r270
  text "+12V" at 141.6,63.5 h0.8 r270
  text "GND" at 92.9,63.1 h0.8
  text "+12V" at 71.1,56.8 h0.8
  text "GND" at 76.5,56.8 h0.8
  text "+12V" at 61.9,56.7 h0.8
  text "+12V" at 28.9,56.6 h0.8
  text "GND" at 44.9,56.6 h0.8
  text "GND" at 55.6,56.6 h0.8
  text "GND" at 22.7,56.5 h0.8
  text "+12V" at 39.2,56.5 h0.8
  text "+12V" at 118.2,55.6 h0.8
  text "+12V" at 107.5,55.4 h0.8
  text "+12V" at 93,53.7 h0.8
  text "GND" at 150.4,48.2 h0.8 r270
  text "+12V" at 140.6,47.8 h0.8 r270
  text "GND" at 150.2,36.9 h0.8 r270
  text "+12V" at 140.1,36.3 h0.8 r270
  text "+12V" at 16,33.325 h0.8
  text "GND" at 15.65,19.675 h0.8
Mechanical 4: